# Altium PCB LimeSDR-QPCIe_1v2.PcbDoc (part 12 of 21)
Units mm, origin at the board's own origin, x right, y up, seen from the top; angles counter-clockwise.
Board outline 190 x 111.15 mm, 14 copper layers (Top, L2, L3, L4, L5, L6, L7, L8, L9, L10, L11, L12, L13, Bottom), stack 1.907 mm thick; 2014 components, 1408 nets, 9111 pads, 4171 vias.
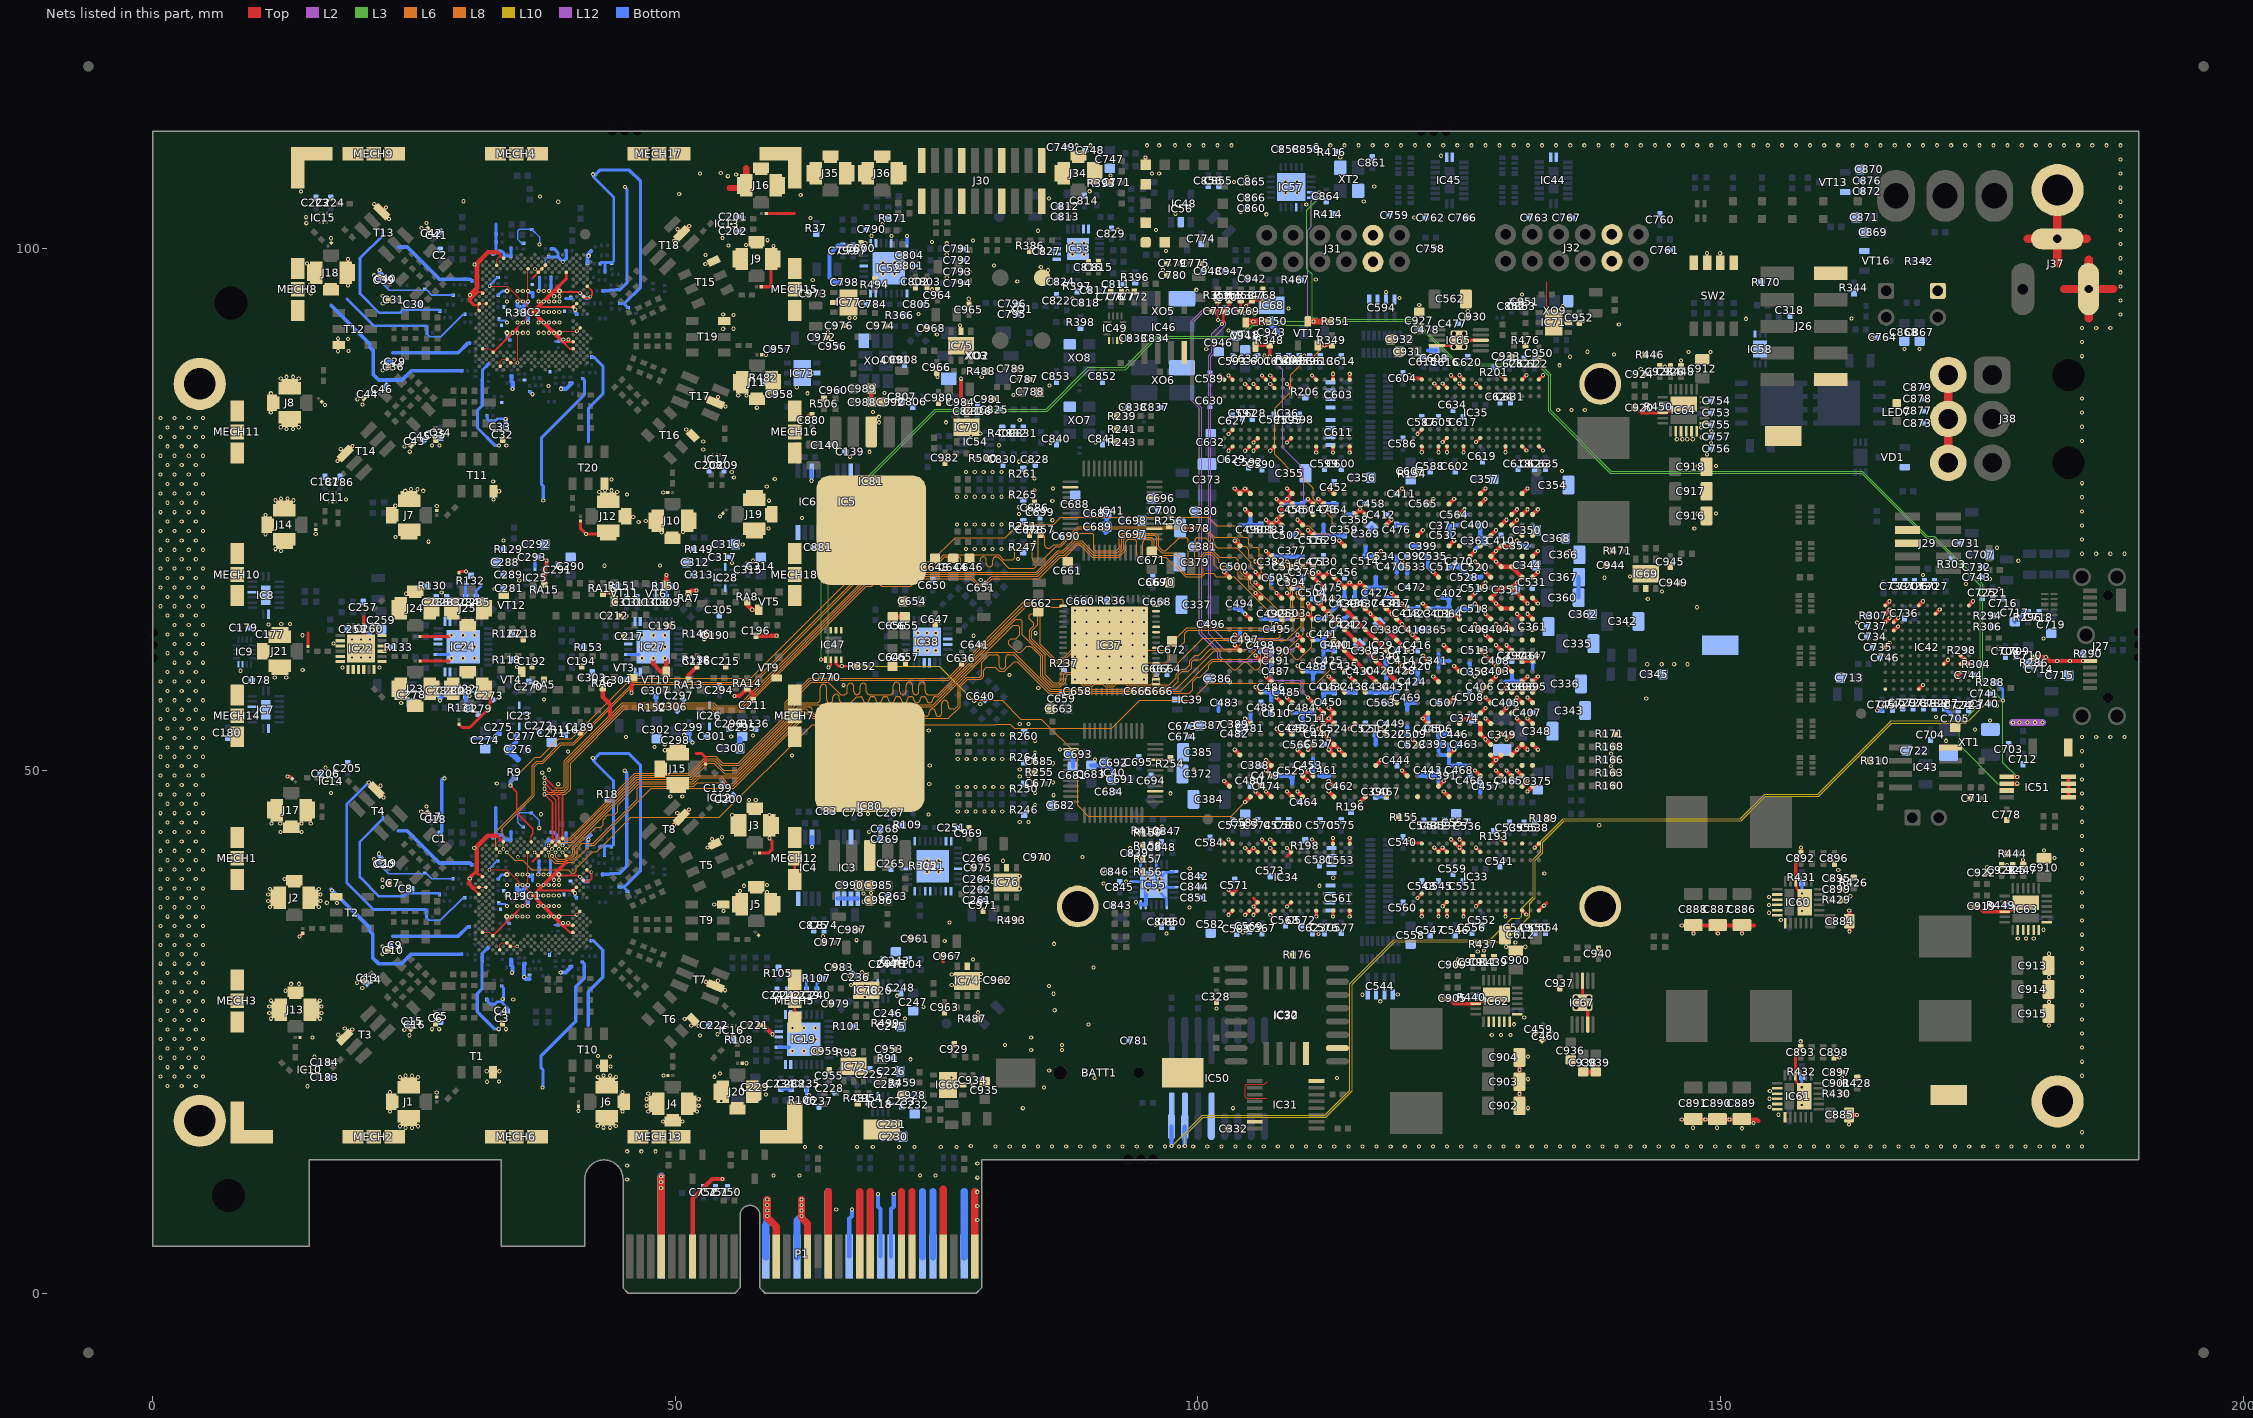
[diagram p24: the nets of this part, all layers, seen from the top]

## Via types
v1: diameter 0.4, hole 0.2, Top to Bottom, tented both sides, 3282 vias
v2: diameter 0.4, hole 0.2, Top to Bottom, tented top, 531 vias
v3: diameter 0.35, hole 0.2, Top to Bottom, tented top, 210 vias
v4: diameter 0.5, hole 0.2, Top to Bottom, tented both sides, 99 vias
v5: diameter 0.5, hole 0.2, Top to Bottom, tented bottom, 49 vias

## Nets (pads, with @x,y where several pads share a name; then routed paths per layer and width w, separated by ;. In a path a pad name is that pad's centre, name@x,y a point inside that pad or via, vN(x,y) a via of type N, cw(c..) or ccw(c..) an arc to the next point about the centre after c; other vN are vias at no path point) (continued)
GND: (continued)
  Bottom w0.4: C260.1@20.725,63.075 20.725,62.588 v4(20.788,62.525) ; v1(21.658,42.046) 21.658,41.817 C19.1@21.971,41.504 ; v1(21.685,97.883) 21.685,97.64 C40.1@21.921,97.404 ; v1(22.013,88.998) 22.14,89.125 C29.1@22.725,89.125 ; v1(27.5,56.7) C282.1@27.5,57.125 ; v1(32.75,53.25) C275.2@33.125,53.625 ; C33.1@33.775,82.9 v1(33.775,83.625) ; C276.1@34.122,52.056 34.822,52.756 C277.2@34.822,53.271 ; C72.2@34.305,31.91 34.312,31.91 34.312,31.351 34.422,31.241 34.422,30.701 v1(34.387,30.666) ; C133.2@34.332,87.747 34.338,87.747 34.338,87.188 C166.2@34.448,87.078 34.448,86.538 v1(34.413,86.503) ; v1(34.885,39.05) 34.885,38.55 R19.2@35.165,38.27 ; v1(34.912,94.887) 34.912,94.387 R38.2@35.192,94.107 ; C105.2@35.575,31.52 35.525,31.47 35.525,30.2 35.659,30.066 36.062,30.066 ; v1(35.885,37.05) 35.885,37.55 R19.2@35.165,38.27 ; v1(35.885,39.05) 35.885,38.989 R19.2@35.165,38.27 ; v1(35.912,92.887) 35.912,93.387 R38.2@35.192,94.107 ; v1(35.912,94.887) 35.912,94.826 R38.2@35.192,94.107 ; v1(39.037,30.691) 39.511,30.691 C112.2@40.08,31.26 ; v1(39.063,86.528) 39.538,86.528 C173.2@40.107,87.097 ; R18.2@43.6,47.225 43.987,47.225 44.012,47.25 ; v1(50.85,53.425) 51.125,53.425 C299.2@51.325,53.625 51.325,53.025 v1(51.65,52.7) ; v1(63.045,77.73) IC6.7@63.045,78.686 ; v1(63.075,42.694) IC4.7@63.075,43.65 ; IC3.4@65.52,37.75 IC3.3@66.17,37.75 IC3.2@66.82,37.75 IC3.1@67.47,37.75 ; C798.1@65.725,96.725 65.206,96.725 64.75,97.181 64.75,99.4 65.575,100.225 C799.1@66.025,100.225 ; P1.A20@66.65,3.5 66.65,7.15 66.9,7.4 v1(66.9,8) ; v1(69.4,9.5) 69.4,8.3 69.65,8.05 P1.A23@69.65,3.5 ; C269.1@69.6,43.507 C268.1@69.6,44.425 ; P1.A24@70.65,3.5 70.65,8.05 70.9,8.3 v1(70.9,9.5) ; C693.1@87.7,51.575 88.05,51.225 C681.1@88.05,50.425 ; C683.1@89.8,50.5 90.85,50.5 C692.1@91.1,50.75 91.775,50.075 C691.1@91.775,49.15 ; 91.15,72.732 91.275,72.857 C689.1@91.275,73.325 C687.1@91.275,74.6 ; IC55.12@94.525,37.175 IC55.11@95.025,37.175 95.025,39.1 IC55.25@95.775,39.1 ; 101.975,55.725 C483.2@101.975,56.5 ; v1(102.525,69) 102.975,69.45 C500.2@102.975,69.5 ; 103.5,65.5 104.025,65.5 C494.2@104.05,65.475 v1(104.525,65) ; C482.2@104.025,53.525 C389.2@104.025,54.3 ; C497.2@104.025,62.525 104.025,63.3 ; C389.2@104.25,54.55 C481.2@105.025,54.55 105.025,55.325 ; 104.343,73.5 C499.2@105,73.5 ; 105.025,74.207 105.025,73.55 C499.2@105,73.525 C499.2@105,73.5 ; C498.2@106.025,61.475 C490.2@106.8,61.475 ; C501.2@106.025,73.55 105.975,73.5 C499.2@105,73.5 ; 106.25,64.5 C493.2@107.8,64.5 ; 106.275,57.5 C485.2@107.825,57.5 ; 106.3,63.5 C495.2@107.075,63.5 ; C479.2@107,49.525 107.025,49.5 C525.2@108.975,49.5 109.025,49.45 109.025,48.775 ; C505.2@107,68.475 107.025,68.45 107.025,67.9 ; 107.025,56.7 C486.2@107.025,57.475 ; C487.2@107.025,59.725 C491.2@107.025,60.5 ; C491.2@107.025,60.7 107.025,62.25 ; C382.1@107.075,70.5 110.05,70.5 ; C493.2@108.05,64.5 C503.2@108.825,64.5 ; C394.2@109,67.5 109.732,67.5 110.025,67.793 110.025,68.475 C376.1@110.05,68.5 ; C502.2@109,72.5 109.025,72.5 v1(109.525,73) ; 109.25,55.5 C484.2@110.025,55.5 ; C526.2@110.05,54.5 110.025,54.525 C484.2@110.025,55.5 ; 110.275,59.5 111.825,59.5 ; C859.2@110.925,109.45 111.3,109.825 v1(111.325,109.825) ; C504.2@110.975,66.5 111.475,66 v1(111.525,66) 111.575,66 112.025,66.45 112.025,67.45 C475.2@112,67.475 ; 111,49.9 111.025,49.925 111.025,50.5 C453.2@111.05,50.525 111.025,50.55 111.025,51.15 ; C511.2@111,55.525 110.975,55.5 C484.2@110.025,55.5 ; 111,62.5 C441.2@112.025,62.5 ; 111,64.5 C426.2@112.025,64.5 ; C516.2@111,72.5 112.625,72.5 ; 111.025,58.725 C488.2@111.025,59.5 ; 111.575,49.5 112.6,49.5 ; C473.2@112,75.5 113.318,75.5 ; 112.025,59.725 112.025,61.275 ; 112.025,61.5 C441.2@112.025,62.525 113.95,64.45 C421.2@113.975,64.45 114.525,65 115.025,64.5 C422.2@115.025,64.475 ; C426.2@112.025,64.525 112.05,64.525 v1(113.525,66) 113.975,66.45 C439.2@113.975,66.475 ; C529.2@112.025,72.525 112.025,73.55 ; C450.2@112.05,56.725 C415.2@112.05,57.5 ; C415.2@112.275,57.5 C432.2@113.05,57.5 ; 112.975,72.5 C359.2@114,72.5 ; 114,57.5 C433.2@115.025,57.5 ; C439.2@114.025,66.45 114.025,67.475 ; 114.293,74.525 114.318,74.5 115,74.5 C358.1@115,74.525 ; 115.025,67.175 115.025,66.45 115.475,66 v1(115.525,66) 115.525,66.025 C437.2@115.975,66.475 116.034,66.534 116.034,66.784 116.025,66.793 116.025,67.207 116.034,67.216 ; v1(115.525,58) 116.025,57.5 116.757,57.5 116.757,57.525 C434.2@117.05,57.525 117.293,57.525 117.318,57.5 119.05,57.5 C431.2@119.05,57.525 ; 116,67.5 C427.2@117.025,67.5 ; 116.075,71.4 116.025,71.35 C514.2@116.025,70.525 116.025,70.5 116.732,70.5 116.757,70.525 117,70.525 C534.2@117.025,70.5 ; C369.1@116.651,73.276 116.651,73.024 117.15,72.525 ; 117.025,52.475 C512.2@117.025,53.5 ; C427.2@117.025,67.525 C427.2@117.025,67.5 ; 117.025,68.525 C427.2@117.025,67.5 ; C390.2@117.15,47.51 C467.2@117.925,47.51 ; 117.525,47.525 v1(117.525,48) ; v1(117.525,66) 117.525,66.025 C438.2@118.025,66.525 C417.2@119,66.525 ; 117.7,67.5 C427.2@117.025,67.5 ; 118.025,58.825 118.025,60.425 C340.2@118,60.45 118,60.475 v1(118.525,61) ; C470.2@119,69.525 119.025,69.55 119.025,70.45 ; 119.025,68.925 119.025,69.5 C533.2@120,69.5 120.025,69.475 120.025,68.85 ; C476.2@119.025,73.525 119.025,73.5 119.732,73.5 119.757,73.525 119.825,73.525 ; v1(119.525,62) v1(118.525,61) ; C428.2@120,59.55 118.55,61 v1(118.525,61) ; C418.2@120,65.55 120,65.5 121.025,65.5 C423.2@121.05,65.525 ; 120.025,54.2 120.025,53.525 C509.2@120.05,53.5 ; 120.025,55.793 C469.2@120.025,56.475 120.025,56.5 120.732,56.5 120.757,56.475 ; C428.2@120.05,59.5 C420.2@121.025,59.5 C424.2@121.025,58.525 ; 120.225,71.55 120.275,71.5 121.05,71.5 C399.2@121.05,71.475 ; C419.2@121.05,63.5 C365.2@122.025,63.5 ; 121.3,49.5 C391.2@123,49.5 ; 121.95,65.5 C401.2@122.975,65.5 C364.1@124,65.5 ; C535.2@122,70.525 122.025,70.5 122.025,69.5 v1(122.525,69) ; C445.2@122.025,54.525 122.025,55.3 ; 122.05,90.2 C608.1@122.825,90.2 ; 123.025,48.75 123.025,50.3 ; 123.025,51.875 123.025,52.5 C506.2@123.025,53.5 124,53.5 C446.2@124.025,53.475 ; 123.025,59.85 123.025,60.475 C341.2@123.05,60.5 ; 123.025,61.125 123.025,60.525 C341.2@123.05,60.5 ; C393.2@123.05,52.5 123.825,52.5 ; 123.2,51.55 123.25,51.5 124.025,51.5 ; 123.4,66.5 124.025,66.5 C402.2@124.025,66.475 124,66.45 124,66.232 124.025,66.232 124.025,65.525 C364.1@124,65.5 ; 124.025,50.725 124.025,51.5 ; 124.025,52.125 124.025,51.5 ; C532.2@124.025,72.5 C371.2@124.025,73.45 124.025,73.5 124.732,73.5 124.754,73.479 ; C517.2@124.05,69.5 124.975,69.5 C370.1@125.025,69.55 125.025,69.42 125.52,68.925 125.65,68.925 126,68.575 C528.2@126,68.5 127.075,68.5 127.15,68.575 ; 124.075,60.5 C341.2@123.05,60.5 ; 124.375,50.5 C468.2@125,50.5 ; v1(124.525,52) 124.525,52.05 C463.2@125,52.525 ; C468.2@125,50.525 C468.2@125,50.5 ; C564.2@125.025,74.5 125.675,74.5 ; 125.625,50.5 C468.2@125,50.5 ; 125.961,60.271 126.025,60.207 126.025,59.5 C353.2@126,59.475 126.475,59 v1(126.525,59) ; v1(126.525,64) 127,63.525 C409.2@127.05,63.525 ; v1(126.525,66) C518.2@126,65.475 126,65.5 125.025,65.5 v1(124.525,65) 124.5,65 C364.1@124,65.5 ; v1(126.525,67) 126.575,67 C519.2@127.025,67.45 ; v1(126.525,70) 127.025,69.5 C520.2@127.025,69.475 ; v1(126.525,71) 126.525,71.15 C363.1@127.375,72 127.025,72.35 C400.2@127.025,73.5 ; 127.025,47.875 C457.2@127.025,48.55 ; 127.05,49.25 127.025,49.225 C457.2@127.025,48.55 ; C457.2@127.075,48.5 C457.2@127.025,48.55 ; 129.45,58.5 131.025,58.5 C396.2@131.025,58.525 ; C351.1@130.375,67.3 130.525,67.45 v1(130.525,68) ; v1(130.525,72) 130.525,71.975 C352.1@131,71.5 131.7,71.5 ; C346.1@131,60.5 C347.2@132.025,60.5 ; C347.2@132.05,60.525 v1(132.525,61) ; C360.1@136.425,66.55 C367.1@136.425,68.5 ; v1(165,55.75) 165.4,55.75 C745.1@165.45,55.8 ; C717.1@178.175,64.25 179.1,65.175 R296.2@179.425,65.175
  Bottom w0.5: C300.1@56.175,52.15 C295.1@56.175,53.045 ; IC68.2@107.05,93.125 107.05,92.6 107.55,92.1 C943.1@107.55,91.925
  Bottom w0.6: C276.1@34.225,51.775 34.925,51.075
  Bottom w0.7: P1.A4@48.65,3.5 v1(48.65,11.175) ; P1.A12@58.65,3.5 58.65,6.525 58.8,6.675 v1(58.8,8.95) ; P1.A15@61.65,3.5 61.65,6.95 v1(62.075,7.375) v1(62.075,8.95) ; P1.A18@64.65,3.5 64.65,9.725 ; P1.A27@73.65,3.5 73.65,9.725 ; P1.A28@74.65,3.5 74.65,9.725 ; P1.A31@77.65,3.5 77.65,9.725
  other v1: 78.9,7 58.8,7.375 58.8,7.9 65.4,8 78.9,8.35 58.8,8.425 78.9,9.7 48.65,10.075 48.65,10.625 45.4,10.875 78.9,11.05 59.4,11.25 61.9,11.25 73.4,11.25 74.9,11.25 45.4,12.225 78.9,12.4 45.4,13.575 46.75,13.575 48.1,13.575 62.4,14 63.9,14 67.4,14 68.9,14 71.4,14 72.9,14 75.4,14 76.9,14 80.65,14.05 82,14.05 83.35,14.05 84.7,14.05 86.05,14.05 87.4,14.05 88.75,14.05 90.1,14.05 91.45,14.05 92.8,14.05 94.15,14.05 95.5,14.05 96.85,14.05 98.2,14.05 99.55,14.05 100.9,14.05 102.25,14.05 103.6,14.05 104.95,14.05 106.3,14.05 107.65,14.05 109,14.05 110.35,14.05 111.7,14.05 113.05,14.05 114.4,14.05 115.75,14.05 117.1,14.05 118.45,14.05 119.8,14.05 121.15,14.05 122.5,14.05 123.85,14.05 125.2,14.05 126.55,14.05 127.9,14.05 129.25,14.05 130.6,14.05 131.95,14.05 133.3,14.05 134.65,14.05 136,14.05 137.35,14.05 138.7,14.05 140.05,14.05 141.4,14.05 142.75,14.05 144.1,14.05 145.45,14.05 146.8,14.05 148.15,14.05 149.5,14.05 150.85,14.05 152.2,14.05 153.55,14.05 154.9,14.05 156.25,14.05 157.6,14.05 158.95,14.05 160.3,14.05 161.65,14.05 163,14.05 164.35,14.05 165.7,14.05 167.05,14.05 168.4,14.05 169.75,14.05 171.1,14.05 172.45,14.05 173.8,14.05 175.15,14.05 176.5,14.05 177.85,14.05 179.2,14.05 180.55,14.05 181.9,14.05 183.25,14.05 184.6,14.05 78.275,14.075 184.6,15.4 152.05,15.775 24.2,15.826 24.823,15.826 43.138,15.834 43.762,15.834 147.375,15.825 149.675,15.825 23.65,15.976 25.373,15.976 42.588,15.984 44.312,15.984 153.175,16.275 48.841,16.438 50.691,16.438 155.55,17.075 22.7,17.376 44.962,17.384 47.409,17.388 52.091,17.388 40.75,17.45 83.25,17.7 103.35,17.7 131.6,17.7 154.7,17.8 47.259,17.938 52.241,17.938 54.4,18.375 47.259,18.562 52.241,18.562 154.7,18.6 62.775,18.95 58.675,19 130.775,19.075 47.409,19.112 27.174,19.191 22.7,19.226 44.962,19.234 154.725,19.35 85.275,19.675 14.8,19.8 1.425,19.825 2.775,19.825 4.125,19.825 58.675,19.85 31.988,20.233 33.138,20.258 131.6,20.475 113.325,20.575 90.125,20.6 161.625,20.625 23.65,20.657 25.373,20.657 76.425,20.65 79.425,20.65 42.588,20.666 44.312,20.666 53.75,20.7 0.75,20.725 2.1,20.725 3.45,20.725 4.8,20.725 24.2,20.807 24.823,20.807 184.6,20.8 43.138,20.816 43.762,20.816 48.875,20.825 54.275,21.025 31.963,21.233 33.163,21.233 85.775,21.3 130.775,21.375 1.425,21.625 2.775,21.625 4.125,21.625 42.592,21.685 43.792,21.685 56.825,22 184.6,22.15 72.5,22.375 0.75,22.525 2.1,22.525 3.45,22.525 4.8,22.525 161.375,22.55 15.472,22.626 43.767,22.66 131.6,22.65 42.617,22.685 84.05,23.275 87,23.275 1.425,23.425 2.775,23.425 4.125,23.425 184.6,23.5 81.55,23.75 87,23.75 157.675,24.1 0.75,24.325 2.1,24.325 3.45,24.325 4.8,24.325 15.275,24.45 84.05,24.45 52.375,24.65 24.571,24.677 128.125,24.7 129,24.7 129.9,24.7 17.75,24.725 54.025,24.775 184.6,24.85 56.3,25.025 24.076,25.172 1.425,25.225 2.775,25.225 4.125,25.225 26.709,25.261 27.409,25.261 33.809,25.261 18.375,25.325 52.225,25.55 51.525,25.6 89.55,25.7 130.25,25.725 0.75,26.125 2.1,26.125 3.45,26.125 4.8,26.125 50.9,26.225 184.6,26.2 11.309,26.263 15.991,26.263 71.975,26.275 131.225,26.375 11.159,26.813 16.141,26.813 78.975,26.875 1.425,27.025 2.775,27.025 4.125,27.025 86.3,27.075 101.775,27.25 73.75,27.375 11.159,27.437 16.141,27.437 184.6,27.55 0.75,27.925 2.1,27.925 3.45,27.925 4.8,27.925 117.45,27.925 11.309,27.987 15.991,27.987 34.5,28.1 33.487,28.141 123.3,28.2 68.125,28.35 71.2,28.45 115.75,28.55 119.125,28.575 86.2,28.65 1.425,28.825 2.775,28.825 4.125,28.825 184.6,28.9 12.709,28.937 20.046,29.202 85.75,29.4 68.15,29.45 66.8,29.475 76.45,29.475 13.25,29.6 14,29.6 19.551,29.697 0.75,29.725 2.1,29.725 3.45,29.725 4.8,29.725 79.225,29.95 181.425,30.225 35.55,30.25 184.6,30.25 66.675,30.375 76.45,30.5 79.25,30.525 1.425,30.625 2.775,30.625 4.125,30.625 67.875,30.725 90,31.175 0.75,31.525 2.1,31.525 3.45,31.525 4.8,31.525 184.6,31.6 78.475,31.925 124.875,31.925 1.425,32.425 2.775,32.425 4.125,32.425 21.986,32.461 126.775,32.7 127.375,32.775 184.6,32.95 138.375,32.975 129.5,33.15 131.325,33.15 21.986,33.161 0.75,33.325 2.1,33.325 3.45,33.325 4.8,33.325 86.25,33.425 130.375,33.55 75.775,33.7 67.325,33.775 178.45,33.95 179.225,33.95 179.975,33.95 14.044,34.125 64.125,34.15 1.425,34.225 2.775,34.225 4.125,34.225 184.6,34.3 111.55,34.375 97,34.4 149.75,34.425 152.05,34.425 104.3,34.5 180.9,34.775 0.75,35.125 2.1,35.125 3.45,35.125 4.8,35.125 95.95,35.25 39.255,35.415 39.755,35.415 76.225,35.475 184.6,35.65 155.775,35.7 1.425,36.025 2.775,36.025 4.125,36.025 34.385,36.05 34.885,36.05 35.385,36.05 35.885,36.05 36.885,36.05 37.385,36.05 37.885,36.05 38.385,36.05 154.65,36.4 54.6,36.575 99.2,36.9 0.75,36.925 2.1,36.925 3.45,36.925 4.8,36.925 11.209,36.963 15.891,36.963 173.95,37 184.6,37 34.885,37.05 35.385,37.05 36.885,37.05 37.385,37.05 37.885,37.05 38.385,37.05 38.885,37.05 133.1,37.075 154.65,37.15 53.725,37.175 17.633,37.333 16.658,37.358 94.075,37.4 68,37.45 11.059,37.513 16.041,37.513 1.425,37.825 2.775,37.825 4.125,37.825 154.65,37.9 162.425,37.975 33.875,38.05 34.875,38.05 35.875,38.05 36.875,38.05 37.375,38.05 37.875,38.05 38.375,38.05 38.875,38.05 11.059,38.137 16.041,38.137 68,38.25 68.725,38.3 184.6,38.35 58.775,38.4 56.2,38.475 17.15,38.525 11.209,38.687 15.891,38.687 82.95,38.7 0.75,38.725 2.1,38.725 3.45,38.725 4.8,38.725 21.986,38.861 56.575,38.975 111.65,38.975 33.885,39.05 35.385,39.05 36.885,39.05 37.385,39.05 37.885,39.05 38.385,39.05 38.885,39.05 58.775,39.05 90.975,39.2 161.65,39.2 80.35,39.35 93.125,39.375 38.385,39.55 38.885,39.55 21.986,39.561 1.425,39.625 2.775,39.625 4.125,39.625 12.609,39.637 30.337,39.666 107.7,39.675 184.6,39.7 112.95,39.75 82.95,39.9 34.885,40.05 35.385,40.05 37.385,40.05 133.15,40.15 90.975,40.425 161.275,40.5 0.75,40.525 2.1,40.525 3.45,40.525 4.8,40.525 99.225,40.625 175.525,40.75 177.425,40.95 184.6,41.05 81.35,41.375 1.425,41.425 2.775,41.425 4.125,41.425 181.95,41.65 88.975,41.725 0.75,42.325 2.1,42.325 3.45,42.325 4.8,42.325 180.95,42.35 184.6,42.4 30.762,42.591 93.5,42.6 53.1,42.65 1.425,43.225 2.775,43.225 4.125,43.225 41.687,43.391 53.525,43.45 59,43.525 54.475,43.625 184.6,43.75 69.6,43.825 0.75,44.125 2.1,44.125 3.45,44.125 4.8,44.125 12.225,44.125 14.225,44.125 68.525,44.125 96.575,44.65 138.4,44.775 11.375,44.95 12.2,44.95 14.225,44.95 15.125,44.95 1.425,45.025 2.775,45.025 4.125,45.025 82.955,45.095 83.805,45.095 184.6,45.1 55.45,45.725 59,45.75 74.225,45.8 37.15,45.825 68.45,45.85 0.75,45.925 2.1,45.925 3.45,45.925 4.8,45.925 25.689,46.076 77.03,46.095 77.88,46.095 78.73,46.095 79.58,46.095 80.43,46.095 81.28,46.095 82.13,46.095 184.6,46.45 26.184,46.571 84.431,46.696 1.425,46.825 2.775,46.825 4.125,46.825 57.05,47.2 57.7,47.2 49.525,47.525 50.675,47.525 86.2,47.65 0.75,47.725 2.1,47.725 3.45,47.725 4.8,47.725 184.6,47.8 97.375,47.825 17.072,47.847 84.431,47.844 77.03,48.445 77.88,48.445 78.73,48.445 79.58,48.445 80.43,48.445 81.28,48.445 82.13,48.445 1.425,48.625 2.775,48.625 4.125,48.625 38.8,48.7 74.3,48.725 32.925,48.775 86.15,48.85 184.6,49.15 27.925,49.25 82.955,49.445 83.805,49.445 0.75,49.525 2.1,49.525 3.45,49.525 4.8,49.525 37.275,49.8 37.925,50.075 99.6,50.075 82.955,50.105 83.805,50.105 16.525,50.275 1.425,50.425 2.775,50.425 4.125,50.425 139.525,50.425 74.35,50.5 184.6,50.5 86.15,50.7 90.15,51.05 77.03,51.105 77.88,51.105 78.73,51.105 79.58,51.105 80.43,51.105 81.28,51.105 82.13,51.105 42.112,51.216 0.75,51.325 2.1,51.325 3.45,51.325 4.8,51.325 61.175,51.45 139.525,51.65 84.431,51.706 39.725,51.825 184.6,51.85 49,51.95 113.525,52 86.8,52.025 1.425,52.225 2.775,52.225 4.125,52.225 48,52.25 49,52.5 84.431,52.854 171.575,52.85 112.525,53 127.525,53 0.75,53.125 2.1,53.125 3.45,53.125 4.8,53.125 45.3,53.225 184.6,53.2 185.95,53.2 187.3,53.2 188.65,53.2 55.35,53.275 57.425,53.35 77.03,53.455 77.88,53.455 78.73,53.455 79.58,53.455 80.43,53.455 81.28,53.455 82.13,53.455 74.25,53.825 174.35,53.925 1.425,54.025 2.775,54.025 4.125,54.025 82.955,54.455 83.805,54.455 178.625,54.6 179.375,54.6 180.1,54.6 175.775,54.8 0.75,54.925 2.1,54.925 3.45,54.925 4.8,54.925 170.625,55.125 1.425,55.825 2.775,55.825 4.125,55.825 176.45,56.2 79.175,56.375 23.775,56.475 0.75,56.725 2.1,56.725 3.45,56.725 4.8,56.725 37.45,56.8 142.9,56.9 33.15,57 30.325,57.125 80,57.175 1.425,57.625 2.775,57.625 4.125,57.625 84.725,57.9 66.1,58.175 0.75,58.525 2.1,58.525 3.45,58.525 4.8,58.525 11.675,58.9 12.775,58.9 81.975,59.15 1.425,59.425 2.775,59.425 4.125,59.425 8.4,59.55 14.35,59.625 18.151,59.875 21.701,59.875 34.875,59.925 119.525,60 143,60.175 144.375,60.175 145.575,60.175 146.85,60.175 2.1,60.325 3.45,60.325 4.8,60.325 182.225,60.5 183.425,60.5 184.7,60.5 1.425,61.225 2.775,61.225 4.125,61.225 22.588,61.675 2.1,62.125 3.45,62.125 4.8,62.125 17.288,62.175 180.9,62.625 78.525,62.9 14.325,62.95 1.425,63.025 2.775,63.025 4.125,63.025 84.475,63.15 21.701,63.475 2.1,63.925 3.45,63.925 4.8,63.925 11.075,63.975 141.2,64 12.3,64.025 13.15,64.025 163.05,64.175 45.325,64.8 1.425,64.825 2.775,64.825 4.125,64.825 147.75,65.625 0.75,65.725 2.1,65.725 3.45,65.725 4.8,65.725 143.05,66.425 1.425,66.625 2.775,66.625 4.125,66.625 24.225,66.925 27.65,67.05 144.4,67.125 32.7,67.375 176.675,67.375 80.025,67.425 0.75,67.525 2.1,67.525 3.45,67.525 4.8,67.525 173.5,67.875 35.075,68.175 79.225,68.25 175.775,68.325 1.425,68.425 2.775,68.425 4.125,68.425 138.9,68.45 142.525,68.475 141.35,68.575 169.375,68.7 0.75,69.325 2.1,69.325 3.45,69.325 4.8,69.325 43.225,69.6 48.525,69.625 55.425,69.85 107.525,70 57.425,70.075 178.5,70.075 1.425,70.225 2.775,70.225 4.125,70.225 82.805,70.245 184.6,70.75 185.95,70.75 187.3,70.75 188.65,70.75 135.55,71.025 12.288,71.034 0.75,71.125 2.1,71.125 3.45,71.125 4.8,71.125 11.738,71.184 77.805,71.195 78.655,71.195 79.505,71.195 80.355,71.195 81.205,71.195 82.055,71.195 176.45,71.325 56.45,71.625 84.356,71.796 26.375,71.903 1.425,72.025 2.775,72.025 4.125,72.025 33.575,72.025 184.6,72.1 23.225,72.35 10.788,72.616 15.6,72.65 86.125,72.75 48.7,72.8 50.725,72.825 0.75,72.925 2.1,72.925 3.45,72.925 4.8,72.925 84.356,72.944 58.925,73.15 147.5,73.175 184.6,73.45 76.955,73.545 77.805,73.545 78.655,73.545 79.505,73.545 80.355,73.545 81.205,73.545 82.055,73.545 46.5,73.775 1.425,73.825 2.775,73.825 4.125,73.825 47.175,73.875 86.075,73.95 62.125,74.175 45.975,74.25 54.265,74.315 10.788,74.466 82.88,74.545 83.73,74.545 147.8,74.575 149.575,74.6 0.75,74.725 2.1,74.725 3.45,74.725 4.8,74.725 184.6,74.8 82.88,75.205 83.73,75.205 27.175,75.303 23.213,75.338 1.425,75.625 2.775,75.625 4.125,75.625 86.075,75.8 37.363,75.828 58.975,75.825 11.738,75.866 13.462,75.866 18.5,75.925 32.6,75.95 12.288,76.016 12.912,76.016 184.6,76.15 76.955,76.205 77.805,76.205 78.655,76.205 79.505,76.205 80.355,76.205 81.205,76.205 82.055,76.205 45.388,76.406 0.75,76.525 2.1,76.525 3.45,76.525 4.8,76.525 48.85,76.6 42.727,76.669 44.45,76.669 33.15,76.725 24.163,76.769 25.887,76.769 43.277,76.819 43.9,76.819 84.356,76.806 24.713,76.919 25.337,76.919 86.125,77 58.75,77.175 1.425,77.425 2.775,77.425 4.125,77.425 184.6,77.5 32.575,77.675 43.9,77.85 59.525,77.9 84.356,77.954 55.6,78.05 0.75,78.325 2.1,78.325 3.45,78.325 4.8,78.325 77.805,78.555 78.655,78.555 79.505,78.555 80.355,78.555 81.205,78.555 82.055,78.555 55.4,78.575 134.825,78.675 147.825,79.15 149.575,79.15 1.425,79.225 2.775,79.225 4.125,79.225 82.88,79.555 83.73,79.555 66.725,80 0.75,80.125 2.1,80.125 3.45,80.125 4.8,80.125 148.7,80.25 68.575,80.5 24.598,80.514 52.675,80.725 24.103,81.009 1.425,81.025 2.775,81.025 4.125,81.025 26.736,81.098 27.436,81.098 33.836,81.098 80.975,81.125 149.1,81.35 85.9,81.375 90.2,81.4 52.675,81.5 184.6,81.551 145.825,81.7 146.35,81.7 146.825,81.7 147.35,81.7 148.175,81.9 0.75,81.925 2.1,81.925 3.45,81.925 4.8,81.925 78.3,82.075 79.175,82.25 149.125,82.5 51.05,82.65 12.802,82.698 13.425,82.698 1.425,82.825 2.775,82.825 4.125,82.825 148.125,82.825 12.252,82.848 13.975,82.848 184.6,82.901 69.5,83.325 75.9,83.325 82.95,83.55 0.75,83.725 2.1,83.725 3.45,83.725 4.8,83.725 69.475,83.85 11.302,84.248 184.6,84.251 68.925,84.3 134.475,84.5 135.75,84.5 137.025,84.5 92.675,84.7 57.8,84.725 16.485,84.99 20.073,85.039 76.1,85.1 19.578,85.534 184.6,85.601 58.9,85.85 56.025,85.875 56.8,85.875 82.35,85.925 36.34,86.015 11.302,86.098 62.65,86.1 70.025,86.125 61.625,86.675 37.875,86.8 85.8,86.85 12.252,87.529 13.975,87.529 79.325,87.65 12.802,87.679 13.425,87.679 75.1,87.675 22.013,88.298 76.025,88.4 142.375,88.425 144.7,88.65 134.6,88.775 146.225,89.225 135.6,89.6 184.6,89.651 106.375,89.7 110.175,89.7 58.691,89.787 139.8,89.8 146.95,90.05 149.05,90.05 137.275,90.075 17.725,90.125 18.725,90.15 100.8,90.35 167.6,90.35 169.05,90.35 184.6,91.001 39.282,91.252 39.782,91.252 18.7,91.3 17.725,91.325 164.5,91.45 75.025,91.725 34.412,91.887 34.912,91.887 35.412,91.887 35.912,91.887 36.912,91.887 37.412,91.887 37.912,91.887 38.412,91.887 64.6,91.975 102.925,92.1 54.583,92.279 55.558,92.279 184.6,92.351 185.95,92.351 187.3,92.351 77.25,92.575 140.275,92.675 34.912,92.887 35.412,92.887 36.912,92.887 37.412,92.887 37.912,92.887 38.412,92.887 38.912,92.887 136.85,93.025 152.45,93.225 162.525,93.25 66.675,93.3 67.2,93.3 55.583,93.604 54.583,93.629 105.425,93.625 188.275,93.625 73.275,93.675 33.902,93.887 34.902,93.887 35.902,93.887 36.902,93.887 37.402,93.887 37.902,93.887 38.402,93.887 38.902,93.887 125.825,93.95 134.525,94.025 108.675,94.225 134.95,94.425 121.175,94.55 22.013,94.698 33.912,94.887 35.412,94.887 36.912,94.887 37.412,94.887 37.912,94.887 38.412,94.887 38.912,94.887 188.275,94.975 65.625,95.1 78.075,95.15 88,95.175 119.3,95.225 38.412,95.387 38.912,95.387 22.013,95.398 30.363,95.503 131,95.55 15.125,95.65 118,95.775 34.912,95.887 35.412,95.887 37.412,95.887 93.275,95.875 99.85,96 74.55,96.05 188.275,96.325 18.7,96.4 15.075,96.5 82.725,96.8 63.15,96.95 111.275,96.975 75.975,97.175 188.275,97.675 78.125,97.725 85.65,97.875 96.65,97.95 100.85,98.15 84.975,98.175 80.5,98.325 30.788,98.428 52.875,98.475 14.75,98.525 188.275,99.025 41.713,99.253 52.9,99.325 75.975,99.375 148.725,99.5 149.975,99.5 96.95,99.725 59.4,100.175 66.525,100.225 55.1,100.25 56.775,100.275 188.275,100.375 75.975,100.45 68.175,100.475 74.575,100.575 78.475,100.725 58.825,100.75 17.059,100.934 54.525,100.975 70.675,101.15 68.775,101.175 84.7,101.65 96,101.725 188.275,101.725 92.375,101.775 25.716,101.913 69.825,102.275 14.7,102.375 26.211,102.408 62.95,102.875 120.7,102.925 14.675,102.95 188.275,103.075 106.55,103.225 97.875,103.275 104.1,103.475 110.375,104.15 38.8,104.425 188.275,104.425 115.875,104.45 29.725,104.475 85.75,104.725 37.05,104.925 62,105.075 50.375,105.175 108.375,105.275 109.475,105.275 14.2,105.4 89.65,105.425 188.275,105.775 116.875,105.875 103.45,106.325 108.375,106.375 109.475,106.375 104.675,106.8 55.025,106.875 91.65,106.95 55.825,107.025 42.138,107.053 52.375,107.125 95.625,107.125 96.3,107.125 188.275,107.125 54.35,107.175 188.275,108.475 113.625,108.65 123.275,108.825 88.375,109.825 89.725,109.825 95.125,109.825 96.3,109.825 97.825,109.825 99.175,109.825 100.525,109.825 101.875,109.825 103.225,109.825 112.675,109.825 114.025,109.825 115.375,109.825 116.725,109.825 118.075,109.825 119.425,109.825 120.775,109.825 122.125,109.825 123.475,109.825 124.825,109.825 126.175,109.825 127.525,109.825 128.875,109.825 130.225,109.825 131.575,109.825 132.925,109.825 134.275,109.825 135.625,109.825 136.975,109.825 138.325,109.825 139.675,109.825 141.025,109.825 142.375,109.825 143.725,109.825 145.075,109.825 146.425,109.825 147.775,109.825 149.125,109.825 150.475,109.825 151.825,109.825 153.175,109.825 154.525,109.825 155.875,109.825 157.225,109.825 158.575,109.825 159.925,109.825 161.275,109.825 162.625,109.825 163.975,109.825 165.325,109.825 166.675,109.825 168.025,109.825 169.375,109.825 170.725,109.825 172.075,109.825 173.425,109.825 174.775,109.825 176.125,109.825 177.475,109.825 178.825,109.825 180.175,109.825 181.525,109.825 182.875,109.825 184.225,109.825 185.575,109.825 186.925,109.825 188.275,109.825